# KiCad board line follower simple.kicad_pcb (continued)
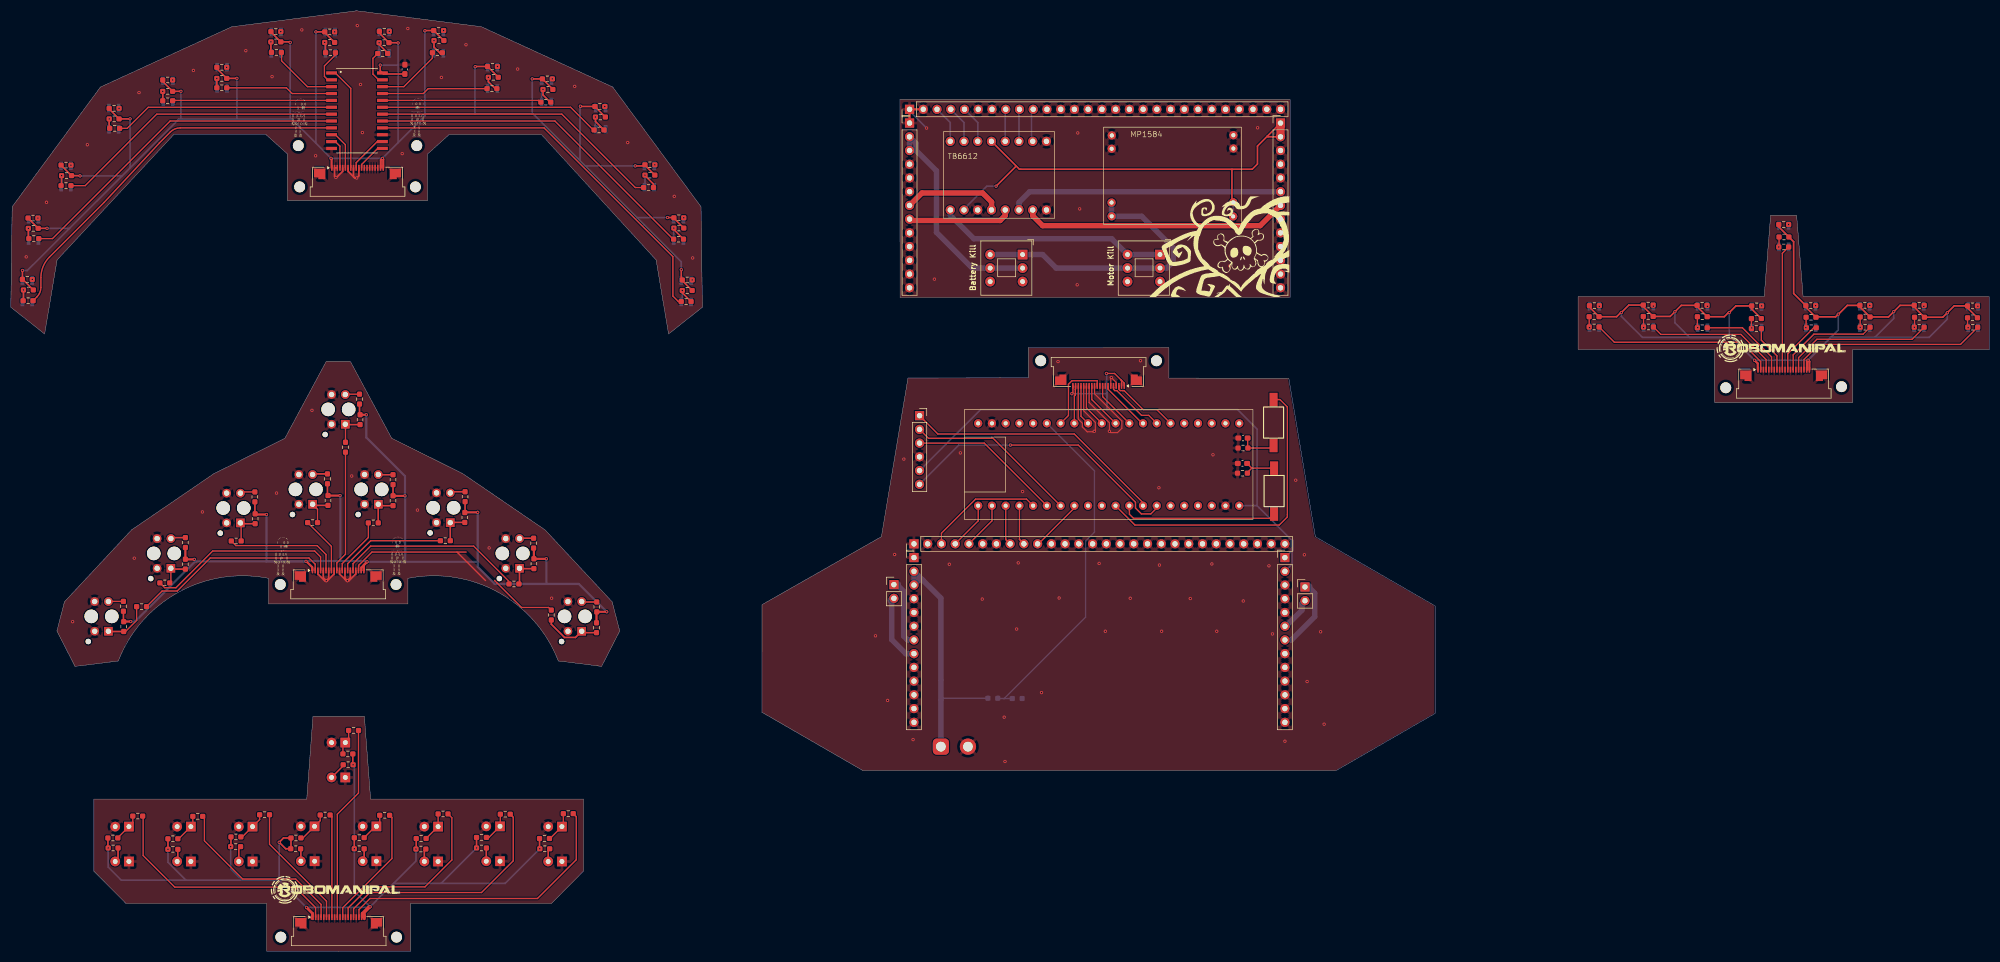
[diagram p0: board, top side]
## Footprints (pads in the part's own frame, mm; a bottom-side part is the same pattern mirrored in y, then rotated)
2mm hole
  round 2 hole 2 unplated: (-0.762,2.286)
74HC4067-Mux
  rect 2x0.6 smd: P1(-4.7,7) P2(-4.7,5.73) P3(-4.7,4.46) P4(-4.7,3.19) P5(-4.7,1.92) P6(-4.7,0.65) P7(-4.7,-0.62) P8(-4.7,-1.89) P9(-4.7,-3.16) P10(-4.7,-4.43) P11(-4.7,-5.7) P12(-4.7,-6.97) P13(4.7,-6.97) P14(4.7,-5.7) P15(4.7,-4.43) P16(4.7,-3.16) P17(4.7,-1.89) P18(4.7,-0.62) P19(4.7,0.65) P20(4.7,1.92) P21(4.7,3.19) P22(4.7,4.46) P23(4.7,5.73) P24(4.7,7)
AMASS_XT30UPB-M_1x02_P5.0mm_Vertical
  rrect 3x3 hole 1.8: 1(0,0)
  round 3 hole 1.8: 2(5,0)
Amphenol_F32Q-1A7x1-11020_1x20-1MP_P0.5mm_Horizontal
  rrect 0.3x1.1 smd: 1(-4.75,2.9) 2(-4.25,2.9) 3(-3.75,2.9) 4(-3.25,2.9) 5(-2.75,2.9) 6(-2.25,2.9) 7(-1.75,2.9) 8(-1.25,2.9) 9(-0.75,2.9) 10(-0.25,2.9) 11(0.25,2.9) 12(0.75,2.9) 13(1.25,2.9) 14(1.75,2.9) 15(2.25,2.9) 16(2.75,2.9) 17(3.25,2.9) 18(3.75,2.9) 19(4.25,2.9) 20(4.75,2.9)
  custom 2.1x1.95 smd: MP(-7,1.775) MP(7,1.775)
blackpill_fp
  round 1.524 hole 0.762: 1(6.92,24.88) 2(6.92,22.34) 3(6.92,19.8) 4(6.92,17.26) 5(6.92,14.72) 6(6.92,12.18) 7(6.92,9.64) 8(6.92,7.1) 9(6.92,4.56) 10(6.92,2.02) 11(6.92,-0.52) 12(6.92,-3.06) 13(6.92,-5.6) 14(6.92,-8.14) 15(6.92,-10.68) 16(6.92,-13.22) 17(6.92,-15.76) 18(6.92,-18.3) 19(6.92,-20.84) 20(6.92,-23.38) 21(-8.32,24.88) 22(-8.32,22.34) 23(-8.32,19.8) 24(-8.32,17.26) 25(-8.32,14.72) 26(-8.32,12.18) 27(-8.32,9.64) 28(-8.32,7.1) 29(-8.32,4.56) 30(-8.32,2.02) 31(-8.32,-0.52) 32(-8.32,-3.06) 33(-8.32,-5.6) 34(-8.32,-8.14) 35(-8.32,-10.68) 36(-8.32,-13.22) 37(-8.32,-15.76) 38(-8.32,-18.3) 39(-8.32,-20.84) 40(-8.32,-23.38)
C_0603_1608Metric_Pad1.08x0.95mm_HandSolder
  rrect 1.075x0.95 smd: 1(-0.863,0) 2(0.863,0)
LED_D5.0mm_Clear
  rect 1.8x1.8 hole 0.9: 1(0,0)
  round 1.8 hole 0.9: 2(2.54,0)
MP1584_fp
  round 1.524 hole 0.762: 1(9.46,5.48) 2(7,5.5) 3(-2.96,5.52) 4(-5.5,5.5) 5(9.5,-17) 6(7.04,-17) 7(-2.92,-16.98) 8(-5.52,-16.96)
PinHeader_1x02_P2.54mm_Vertical
  rect 1.7x1.7 hole 1: 1(0,0)
  round 1.7 hole 1: 2(0,-2.54)
PinHeader_1x13_P2.54mm_Vertical
  rect 1.7x1.7 hole 1: 1(0,0)
  round 1.7 hole 1: 2(0,-2.54) 3(0,-5.08) 4(0,-7.62) 5(0,-10.16) 6(0,-12.7) 7(0,-15.24) 8(0,-17.78) 9(0,-20.32) 10(0,-22.86) 11(0,-25.4) 12(0,-27.94) 13(0,-30.48)
PinHeader_1x28_P2.54mm_Vertical
  rect 1.7x1.7 hole 1: 1(0,0)
  round 1.7 hole 1: 2(0,-2.54) 3(0,-5.08) 4(0,-7.62) 5(0,-10.16) 6(0,-12.7) 7(0,-15.24) 8(0,-17.78) 9(0,-20.32) 10(0,-22.86) 11(0,-25.4) 12(0,-27.94) 13(0,-30.48) 14(0,-33.02) 15(0,-35.56) 16(0,-38.1) 17(0,-40.64) 18(0,-43.18) 19(0,-45.72) 20(0,-48.26) 21(0,-50.8) 22(0,-53.34) 23(0,-55.88) 24(0,-58.42) 25(0,-60.96) 26(0,-63.5) 27(0,-66.04) 28(0,-68.58)
PinSocket_1x06_P2.54mm_Vertical
  rect 1.7x1.7 hole 1: 1(0,0)
  round 1.7 hole 1: 2(0,-2.54) 3(0,-5.08) 4(0,-7.62) 5(0,-10.16) 6(0,-12.7)
Push button-fp
  rect 2.5x1.5 smd: 1(-4.182,0) 2(4.318,0)
QRE1113-SMD
  rect 0.69x1.57 smd: 1(-0.9,1.975) 2(-0.9,-1.975) 3(0.9,-1.975) 4(0.9,1.975)
R_0603_1608Metric_Pad0.98x0.95mm_HandSolder
  rrect 0.975x0.95 smd: 1(-0.912,0) 2(0.912,0)
SW_Push_2P2T_Toggle_CK_PVA2xxH3xxxxxxV2
  rect 1.8x1.8 hole 0.9: 1(0,0)
  round 1.8 hole 0.9: 2(2.5,0) 3(5,0) 4(0,-6) 5(2.5,-6) 6(5,-6)
TB6612 module
  round 1.7 hole 1: 1(-8.128,8.636) 2(-8.128,6.096) 3(-8.128,3.556) 4(-8.128,1.016) 5(-8.128,-1.524) 6(-8.128,-4.064) 7(-8.128,-6.604) 8(-8.128,-9.144) 9(4.572,8.636) 10(4.572,6.096) 11(4.572,3.556) 12(4.572,1.016) 13(4.572,-1.524) 14(4.572,-4.064) 15(4.572,-6.604) 16(4.572,-9.144)
XDCR_TCRT5000L
  round 1 hole 1 unplated: (-4.65,-2.45)
  round 2.5 hole 2.5 unplated: (0,-1.9) (0,1.9)
  rect 1.6x1.6 hole 1: 1(-2.75,1.27)
  round 1.6 hole 1: 2(-2.75,-1.27) 3(2.75,-1.27) 4(2.75,1.27)

## Nets
+3.3V: BlackPill1.40 BT2.5 C10.1 J2.1 J2.19 J2.20 J6.1 J6.19 J6.20 J7.1 J7.2 J7.20 J9.1 J9.19 J9.20 J11.1 J11.2 J13.1 J13.2 J14.1 J14.19 J14.20 MP1.7 MP1.8 R3.1 R4.2 R8.1 R9.1 R10.1 R11.1 R12.1 R13.1 R14.1 R15.1 R16.2 R18.2 R22.2 R23.2 R24.2 R25.2 R26.2 R27.2 R28.2 R29.2 R31.2 R32.2 R34.2 R35.2 R37.2 R38.2 R40.2 R41.2 R43.2 R44.2 R46.2 R47.2 R48.2 R49.1 R50.1 R52.1 R53.1 R55.1 R56.1 R58.1 R59.1 R61.1 R62.1 R64.1 R65.1 R67.1 R68.1 R70.1 R71.1 R73.1 R74.1 R76.2 R77.2 R78.2 R82.2 R83.2 R85.2 R86.2 R88.2 R89.2 R91.2 R92.2 R94.2 R95.2 R96.2 R97.2 R98.2 R99.2 R103.2 R104.2 R105.2 R106.2 R107.2 R108.2 R112.2 R113.2 R114.2 R115.2 R116.2 R117.2 R122.2 R123.2 R124.2 R128.2 R129.2 R130.2 TB1.5 TB1.15 U1.P24
GND: BlackPill1.2 BlackPill1.39 BT2.4 C1.2 C2.2 C10.2 D1.1 D2.1 D3.1 D4.1 D5.1 D6.1 D7.1 D8.1 D9.1 J1.2 J2.2 J2.3 J2.5 J2.7 J2.9 J2.11 J2.13 J2.14 J2.15 J2.16 J2.17 J2.18 J2.MP J5.1 J5.2 J5.6 J5.7 J5.11 J5.12 J5.13 J5.14 J5.15 J5.16 J5.17 J5.18 J5.19 J5.20 J5.21 J5.22 J5.23 J5.24 J5.25 J5.26 J5.27 J5.28 J6.3 J6.5 J6.7 J6.9 J6.11 J6.13 J6.15 J6.17 J6.MP J7.4 J7.6 J7.8 J7.10 J7.12 J7.14 J7.16 J7.18 J7.MP J8.1 J8.2 J8.6 J8.7 J8.11 J8.12 J8.13 J8.14 J8.15 J8.16 J8.17 J8.18 J8.19 J8.20 J8.21 J8.22 J8.23 J8.24 J8.25 J8.26 J8.27 J8.28 J9.3 J9.5 J9.7 J9.9 J9.11 J9.13 J9.15 J9.17 J9.MP J10.1 J10.4 J10.5 J10.6 J10.9 J10.10 J10.11 J10.12 J10.13 J11.3 J11.4 J11.5 J11.8 J11.9 J11.10 J11.11 J11.12 J11.13 J12.1 J12.4 J12.5 J12.6 J12.9 J12.10 J12.11 J12.12 J12.13 J13.3 J13.4 J13.5 J13.8 J13.9 J13.10 J13.11 J13.12 J13.13 J14.3 J14.5 J14.7 J14.9 J14.11 J14.13 J14.15 J14.17 J14.MP MP1.1 MP1.2 MP1.5 MP1.6 Q1.2 Q2.2 Q3.2 Q4.2 Q5.2 Q6.2 Q7.2 Q8.2 Q9.2 R1.2 R2.2 R6.1 TB1.1 TB1.9 TB1.14 U1.P12 U1.P15 U2.2 U2.3 U4.2 U4.3 U5.2 U5.3 U6.2 U6.3 U7.2 U7.3 U8.2 U8.3 U9.2 U9.3 U10.2 U10.4 U11.2 U11.4 U12.2 U12.4 U13.2 U13.4 U14.2 U14.4 U15.2 U15.4 U16.2 U16.4 U17.2 U17.4 U18.2 U18.4 U19.2 U19.3 U20.2 U20.3 U21.2 U21.4 U22.2 U22.4 U23.2 U23.4 U24.2 U24.4 U25.2 U25.4 U26.2 U26.4 U27.2 U27.4 U28.2 U28.4 U29.2 U29.4 U30.2 U30.4 U31.2 U31.4 U32.2 U32.4 U33.2 U33.4 U34.2 U34.4 U35.2 U35.4 U36.2 U36.4
AIN1: BlackPill1.22 J8.5
AIN1_t: J5.5 TB1.6
AIN2: BlackPill1.21 J8.4
AIN2_t: J5.4 TB1.7
BAT+: J1.1 J10.2 J10.3 R5.2
BAT+_Driver: SW6.1 SW6.4 TB1.16
BAT+_out: MP1.3 MP1.4 SW5.1 SW5.4 SW6.2 SW6.5
BAT+_t: J12.2 J12.3 SW5.2 SW5.5
BAT_SNS: BlackPill1.6 R5.1 R6.2
BIN1: BlackPill1.23 J8.8
BIN1_t: J5.8 TB1.4
BIN2: BlackPill1.24 J8.9
BIN2_t: J5.9 TB1.3
Button1: BlackPill1.32 SW2.2
Button2: BlackPill1.31 SW3.2
COM_mux: J2.8 U1.P1
EN: BlackPill1.34 BT2.6
L1: J14.18 R7.1
L2: J14.16 R125.1
L3: J14.14 R131.1
L4: J14.12 R17.1
L5: J14.8 R126.1
L6: J14.6 R132.1
L7: J14.4 R121.1
L8: J14.2 R127.1
L9: J14.10 R133.1
Motor1+: J3.1 J10.7
Motor1+_t: J12.7 TB1.13
Motor1-: J3.2 J10.8
Motor1-_t: J12.8 TB1.12
Motor2+: J4.1 J11.7
Motor2+_t: J13.7 TB1.10
Motor2-: J4.2 J11.6
Motor2-_t: J13.6 TB1.11
N1: J9.18 R100.1
N2: J9.16 R109.1
N3: J9.14 R118.1
N4: J9.12 R101.1
N5: J9.8 R110.1
N6: J9.6 R119.1
N7: J9.4 R102.1
N8: J9.2 R111.1
N9: J9.10 R120.1
PWMA: BlackPill1.25 J8.3
PWMA_t: J5.3 TB1.8
PWMB: BlackPill1.28 J8.10
PWMB_t: J5.10 TB1.2
Q1: R19.1 U1.P9
Q2: R20.1 U1.P8
Q3: R21.1 U1.P7
Q4: R79.1 U1.P6
Q5: R30.1 U1.P5
Q6: R33.1 U1.P4
Q7: R36.1 U1.P3
Q8: R80.1 U1.P2
Q9: R39.1 U1.P23
Q10: R42.1 U1.P22
Q11: R45.1 U1.P21
Q12: R81.1 U1.P20
Q13: R84.1 U1.P19
Q14: R87.1 U1.P18
Q15: R90.1 U1.P17
Q16: R93.1 U1.P16
RXD: BlackPill1.26 BT2.3
S0_mux: J2.6 U1.P10
S1_mux: J2.4 U1.P11
S2_mux: J2.10 U1.P14
S3_mux: J2.12 U1.P13
SNSR1: BlackPill1.15 J7.3
SNSR2: BlackPill1.14 J7.5
SNSR3: BlackPill1.13 J7.7
SNSR4: BlackPill1.12 J7.9
SNSR5: BlackPill1.11 J7.13
SNSR6: BlackPill1.10 J7.15
SNSR7: BlackPill1.9 J7.17
SNSR8: BlackPill1.8 J7.19
SNSR9: BlackPill1.7 J7.11
STATE: BlackPill1.33 BT2.1
T1: J6.18 R51.2
T2: J6.16 R54.2
T3: J6.14 R57.2
T4: J6.12 R60.2
T5: J6.8 R63.2
T6: J6.6 R66.2
T7: J6.4 R69.2
T8: J6.2 R72.2
T9: J6.10 R75.2
TXD: BlackPill1.27 BT2.2
Net-(C1-Pad1): C1.1 R1.1 SW2.1
Net-(C2-Pad1): C2.1 R2.1 SW3.1
Net-(D1-A): D1.2 R3.2
Net-(D2-A): D2.2 R8.2
Net-(D3-A): D3.2 R9.2
Net-(D4-A): D4.2 R10.2
Net-(D5-A): D5.2 R11.2
Net-(D6-A): D6.2 R12.2
Net-(D7-A): D7.2 R13.2
Net-(D8-A): D8.2 R14.2
Net-(D9-A): D9.2 R15.2
Net-(Q1-C): Q1.1 R4.1 R7.2
Net-(Q2-C): Q2.1 R16.1 R17.2
Net-(Q3-C): Q3.1 R18.1 R121.2
Net-(Q4-C): Q4.1 R122.1 R125.2
Net-(Q5-C): Q5.1 R123.1 R126.2
Net-(Q6-C): Q6.1 R124.1 R127.2
Net-(Q7-C): Q7.1 R128.1 R131.2
Net-(Q8-C): Q8.1 R129.1 R132.2
Net-(Q9-C): Q9.1 R130.1 R133.2
Net-(R19-Pad2): R19.2 R24.1 U10.3
Net-(R20-Pad2): R20.2 R25.1 U11.3
Net-(R21-Pad2): R21.2 R27.1 U12.3
Net-(R22-Pad1): R22.1 U10.1
Net-(R23-Pad1): R23.1 U11.1
Net-(R26-Pad1): R26.1 U12.1
Net-(R28-Pad1): R28.1 U13.1
Net-(R29-Pad1): R29.1 R30.2 U13.3
Net-(R31-Pad1): R31.1 U14.1
Net-(R32-Pad1): R32.1 R33.2 U14.3
Net-(R34-Pad1): R34.1 U15.1
Net-(R35-Pad1): R35.1 R36.2 U15.3
Net-(R37-Pad1): R37.1 U16.1
Net-(R38-Pad1): R38.1 R39.2 U16.3
Net-(R40-Pad1): R40.1 U17.1
Net-(R41-Pad1): R41.1 R42.2 U17.3
Net-(R43-Pad1): R43.1 U18.1
Net-(R44-Pad1): R44.1 R45.2 U18.3
Net-(R46-Pad1): R46.1 U21.1
Net-(R47-Pad1): R47.1 U22.1
Net-(R48-Pad1): R48.1 U23.1
Net-(R49-Pad2): R49.2 U2.4
Net-(R50-Pad2): R50.2 R51.1 U2.1
Net-(R52-Pad2): R52.2 U4.4
Net-(R53-Pad2): R53.2 R54.1 U4.1
Net-(R55-Pad2): R55.2 U5.4
Net-(R56-Pad2): R56.2 R57.1 U5.1
Net-(R58-Pad2): R58.2 U6.4
Net-(R59-Pad2): R59.2 R60.1 U6.1
Net-(R61-Pad2): R61.2 U7.4
Net-(R62-Pad2): R62.2 R63.1 U7.1
Net-(R64-Pad2): R64.2 U8.4
Net-(R65-Pad2): R65.2 R66.1 U8.1
Net-(R67-Pad2): R67.2 U9.4
Net-(R68-Pad2): R68.2 R69.1 U9.1
Net-(R70-Pad2): R70.2 U19.4
Net-(R71-Pad2): R71.2 R72.1 U19.1
Net-(R73-Pad2): R73.2 U20.4
Net-(R74-Pad2): R74.2 R75.1 U20.1
Net-(R76-Pad1): R76.1 R79.2 U21.3
Net-(R77-Pad1): R77.1 R80.2 U22.3
Net-(R78-Pad1): R78.1 R81.2 U23.3
Net-(R82-Pad1): R82.1 U24.1
Net-(R83-Pad1): R83.1 R84.2 U24.3
Net-(R85-Pad1): R85.1 U25.1
Net-(R86-Pad1): R86.1 R87.2 U25.3
Net-(R88-Pad1): R88.1 U26.1
Net-(R89-Pad1): R89.1 R90.2 U26.3
Net-(R91-Pad1): R91.1 U27.1
Net-(R92-Pad1): R92.1 R93.2 U27.3
Net-(R94-Pad1): R94.1 U28.1
Net-(R95-Pad1): R95.1 U29.1
Net-(R96-Pad1): R96.1 U30.1
Net-(R100-Pad2): R97.1 R100.2 U28.3
Net-(R101-Pad2): R98.1 R101.2 U29.3
Net-(R102-Pad2): R99.1 R102.2 U30.3
Net-(R103-Pad1): R103.1 U31.1
Net-(R104-Pad1): R104.1 U32.1
Net-(R105-Pad1): R105.1 U33.1
Net-(R106-Pad1): R106.1 R109.2 U31.3
Net-(R107-Pad1): R107.1 R110.2 U32.3
Net-(R108-Pad1): R108.1 R111.2 U33.3
Net-(R112-Pad1): R112.1 U34.1
Net-(R113-Pad1): R113.1 U35.1
Net-(R114-Pad1): R114.1 U36.1
Net-(R115-Pad1): R115.1 R118.2 U34.3
Net-(R116-Pad1): R116.1 R119.2 U35.3
Net-(R117-Pad1): R117.1 R120.2 U36.3

Pads without a net: BlackPill1 1 3 4 5 16 17 18 19 20 29 30 35 36 37 38; SW5 3 6; SW6 3 6

## Via types
v1: diameter 0.6, hole 0.3, Top to Bottom, 183 vias

## Routing (per net, layer and track width the routed paths; a pad name or vN(x,y) marks a point on that pad's centre or on a via; arc(x,y) is an arc through that point)
+3.3V: length 1213
  Top w0.25: J7.20 196.35,103.3 196.2,103.15 v1(196.16,103.15) 196.28,103.28 ; J7.1 205.85,105.1 205.25,105.7 ; v1(202.55,106.9) 204.05,106.9 205.25,105.7 ; 205.25,105.7 205.35,105.6 J7.2 ; 196.38,104.53 196.35,104.55
  Top w0.3: J13.1 232.3,150.8 ; 232.3,150.8 232.41,150.69 J13.2 ; 232.3,150.8 230.47,148.97 230.47,145.66 229.5,144.69 186.46,144.69 181.32,149.83 ; 76.6,170.35 R40.2 80.04,168.5 ; v1(121.4,135.75) 122.54,135.75 ; R97.2 361.75,119.03 R94.2 359.27,119.4 v1(358,118.12) 357.18,117.3 353.77,117.3 351.9,119.17 R103.2 349.27,119.5 v1(348.1,118.33) 347.12,117.35 R115.2 341.85,119.22 R112.2 339.52,119.5 337.9,117.88 v1(337.85,117.88) 337.35,117.38 333.8,117.38 R98.2 331.85,119.17 R95.2 329.6,121.7 329.6,131.28 R117.2 326.85,134.03 R114.2 ; R56.1 83.98,81.21 R55.1 ; 3.19,135.62 R25.2 v1(6.7,133.75) ; 63.23,36.5 63.23,34.55 v1(63.28,34.5) ; v1(18,19.1) 17.95,19.15 R124.2 ; v1(97.8,18.95) 97.75,19 R4.2 ; v1(40.65,19.35) 40.7,19.4 R129.2 ; v1(115.45,145.3) 117.04,145.3 ; v1(31.45,159.1) R29.2 28.09,160.93 ; R122.2 v1(86.1,19.1) ; 71.55,168.1 R38.2 68.14,169.88 ; 12.75,143.5 R27.2 9.29,145.43 ; R18.2 v1(29.05,18.85) ; 185.85,145.25 v1(182.15,141.55) ; R74.1 64.47,99.36 R73.1 ; 90.11,161.72 R43.2 85.9,163.7 ; 117.24,145.43 R86.2 ; v1(41.8,161.5) R32.2 38.09,163.32 ; R128.2 74.95,18.95 v1(74.9,18.9) ; v1(22.05,154) R76.2 18.19,155.82 ; 122.59,135.62 R89.2 ; 58.04,169.97 R77.2 ; C10.1 68.89,162.31 U1.P24 68.3,162.9 v1(68.3,163.95) ; R70.1 20.82,61.03 R71.1 ; 48.09,170.07 R35.2 51.55,168.25 ; J6.1 55.77,70.7 ; v1(96.4,161.4) R48.2 100.21,159.47 ; 225.75,144.69 225.75,138.81 ; 124.14,124.08 R92.2 ; R58.1 R59.1 ; R62.1 58.54,84.41 R61.1 ; v1(123.95,126.1) 123.95,124.39 ; R16.2 v1(63.5,18.95) ; 107.99,156.28 R83.2 ; R65.1 45.12,80.97 R64.1 ; R105.2 291.85,119.17 R108.2 296.88,117.4 297.65,118.17 v1(297.75,118.17) 299.12,119.55 R96.2 301.8,119.28 R99.2 306.77,117.45 v1(307.65,118.33) 308.82,119.5 R113.2 311.75,119.28 R116.2 316.77,117.4 317.55,118.17 v1(317.7,118.17) 318.93,119.4 R104.2 321.85,118.83 R107.2 323.65,117.03 ; R82.2 105.35,156.3 ; R47.2 v1(56.4,170.1) ; 2.21,124.3 R24.2 ; v1(2.15,125.95) 2.15,124.31 ; R123.2 51.8,19 R14.1 50.81,18.95 v1(49.61,20.15) 50.41,20.95 R123.2
  Top w0.4: R52.1 96.7,74.54 R53.1 ; 64.63,99.2 R74.1 64.58,99.25 v1(65.72,99.25) ; R47.2 58.04,169.97 ; 105.35,156.3 v1(105.3,156.35) ; R68.1 R67.1 32.32,74.65 ; R68.1 32.3,72.5 v1(33.92,72.5) ; R68.1 32.32,72.58 ; R62.1 58.65,84.3 v1(60.87,84.3) ; R26.2 9.29,145.43 ; 68.4,144.95 68.4,146.4 v1(68.7,146.7) 68.85,146.55 J2.20 ; 322.96,107.6 322.96,108.75 v1(322.36,109.35) ; R34.2 48.09,170.07 ; R41.2 80.04,168.5 ; R59.1 70.67,84.25 v1(72.87,84.25) ; 117.04,145.3 R85.2 117.24,145.43 ; 51.55,168.25 v1(51.65,168.15) ; R82.2 107.99,156.28 ; R53.1 96.72,72.6 v1(99.02,72.6) ; R53.1 96.65,72.66 ; R46.2 18.19,155.82 ; 64.82,70.45 64.82,71 v1(65.87,72.05) 65.27,71.45 J6.20 ; R44.2 90.11,161.72 ; R71.1 20.89,61 v1(22.17,61) ; R23.2 3.19,135.62 ; v1(59.2,146.7) 59.3,146.6 59.3,144.95 ; J9.20 332.51,109.1 v1(332.26,109.35) 332.06,109.15 332.06,107.6 ; 2.15,124.31 R22.2 2.21,124.3 ; 122.59,135.62 R88.2 122.54,135.75 ; v1(54.57,72.12) 54.64,72.12 55.72,71.05 55.72,70.45 ; 108.33,60.81 R50.1 108.28,62.74 R49.1 108.34,62.8 v1(110.17,62.8) ; 45.33,80.76 R65.1 45.3,80.8 v1(47.27,80.8) ; R31.2 38.09,163.32 ; v1(86.32,81.2) 83.97,81.2 R56.1 ; R78.2 100.21,159.47 ; 71.55,168.1 v1(71.6,168.05) ; 76.6,170.35 v1(76.55,170.3) ; R28.2 28.09,160.93 ; 124.14,124.08 R91.2 123.95,124.39 ; 85.9,163.7 v1(85.85,163.65) ; 12.75,143.5 v1(12.8,143.45) ; R37.2 68.14,169.88
  Top w0.5: 64.96,6.3 64.96,6.99 66.17,8.2 v1(66.41,8.2) 65.36,7.15 65.36,6.6 ; 55.76,6.5 55.76,7 v1(54.66,8.1) ; 65.36,6.6 65.36,6.01 ; 65.36,6.6 J14.20 ; 55.66,6.05 55.66,6.4
  Top w0.6: 225.75,138.81 MP1.7 ; 181.32,149.83 181.32,150.06
  Top w1.5: J13.2 J13.1
  Bottom w0.25: v1(196.16,103.15) 202.5,103.15 202.65,103.3
  Bottom w0.3: v1(332.26,109.35) 337.85,114.94 v1(337.85,117.88) ; v1(332.26,109.35) 336.49,113.58 344.6,113.58 ; v1(332.26,109.35) v1(322.36,109.35) 318.79,112.92 ; v1(51.65,168.15) 51.65,153.95 51.95,153.95 ; v1(66.41,8.2) 66.31,8.1 v1(54.66,8.1) 49.61,13.15 ; v1(66.41,8.2) 63.5,11.11 v1(63.5,18.95) 63.5,34.28 v1(63.28,34.5) ; v1(66.41,8.2) 70.76,12.55 ; v1(307.65,118.33) 307.65,116.28 310.35,113.58 318.05,113.58 318.09,113.62 ; 71.6,163.95 v1(68.3,163.95) ; 71.6,163.95 71.6,149.6 ; 71.6,163.95 v1(71.6,168.05) ; 71.6,149.6 v1(68.7,146.7) v1(59.2,146.7) 56.4,149.5 ; 71.6,149.6 76.55,154.55 ; 318.79,112.92 318.09,113.62 ; 318.79,112.92 318.14,113.58 301.65,113.58 297.75,117.47 v1(297.75,118.17) ; 236.9,74.18 J11.1 ; 318.09,113.62 317.7,114.01 v1(317.7,118.17) ; v1(348.1,118.33) 348.1,117.08 344.6,113.58 ; v1(182.15,141.55) 180.43,141.55 176.22,137.34 ; 76.55,154.55 76.55,154.95 76.6,154.9 96.6,154.9 105.23,146.28 105.23,156.28 ; 76.55,154.55 v1(76.55,170.3) ; J11.2 236.9,71.64 236.9,75.93 230.4,82.43 ; 104.75,146.75 123.95,127.55 v1(123.95,126.1) ; 51.95,153.95 56.4,149.5 ; 51.95,153.95 31.05,153.95 22.05,144.95 ; 70.76,12.55 79.55,12.55 ; 70.76,12.55 74.9,16.69 v1(74.9,18.9) ; 79.55,12.55 v1(86.1,19.1) ; 79.55,12.55 91.4,12.55 v1(97.8,18.95) ; 56.4,149.5 v1(56.4,170.1) ; v1(358,118.12) 358,116.92 354.65,113.58 344.6,113.58 ; 10.85,133.75 3.05,125.95 v1(2.15,125.95) ; 10.85,133.75 v1(6.7,133.75) ; 10.85,133.75 20.55,143.45 ; 85.8,163.6 85.8,154.9 ; 49.61,13.15 v1(49.61,20.15) ; 49.61,13.15 42.76,13.15 ; 202.65,101.8 202.65,100.2 ; 42.76,13.15 40.65,15.26 v1(40.65,19.35) ; 42.76,13.15 32.36,13.15 ; 22.05,144.95 v1(22.05,154) ; 22.05,144.95 20.55,143.45 ; v1(41.8,161.5) 41.8,154 ; 202.65,101.5 202.65,104.65 202.6,104.7 202.6,106.85 v1(202.55,106.9) ; v1(115.45,145.3) 106.2,145.3 ; MP1.7 226,135.98 ; v1(31.45,159.1) 31.45,153.95 ; BlackPill1.40 230.4,82.43 ; 230.4,82.43 230.4,96.6 226.8,100.2 179.27,100.2 BT2.5 ; 32.36,13.15 20.41,13.15 18,15.56 v1(18,19.1) ; 32.36,13.15 29.05,16.46 v1(29.05,18.85) ; 20.55,143.45 v1(12.8,143.45) ; v1(96.4,161.4) 96.4,154.9 ; v1(121.4,135.75) 115.75,135.75
  Bottom w0.4: v1(54.57,72.12) 47.27,72.12 v1(47.27,80.8) ; v1(54.57,72.12) 34.3,72.12 ; v1(54.57,72.12) 54.64,72.2 60.92,72.2 ; 60.92,72.2 60.92,84.25 v1(60.87,84.3) ; 60.92,72.2 65.72,72.2 v1(65.87,72.05) 72.92,72.05 ; v1(65.72,99.25) 65.72,95.05 72.87,87.9 v1(72.87,84.25) 72.92,84.2 72.92,72.05 ; 90.27,67.95 99.02,67.95 v1(99.02,72.6) ; 90.27,67.95 105.02,67.95 v1(110.17,62.8) ; 90.27,67.95 89.47,67.95 86.32,71.1 v1(86.32,81.2) ; v1(85.85,163.65) 85.8,163.6 ; 34.3,72.12 34.09,72.12 22.97,61 v1(22.17,61) ; 34.3,72.12 v1(33.92,72.5) ; 72.92,72.05 86.32,72.05 ; v1(105.3,156.35) 105.23,156.28
  Bottom w0.6: 176.22,137.34 TB1.15 ; 236.9,75.93 236.9,74.18
  Bottom w1.5: 226,135.98 MP1.8
GND: length 87.2
  Top w0.2: J7.14 199.35,101.52 203.1,97.77 v1(203.1,96.2) 203.35,95.95 204.6,95.95 205.4,96.75 205.4,98.1 200.35,103.15 J7.12 ; J7.18 197.35,98.44 198.1,97.69 198.1,97 199,96.1 200.05,96.1 200.15,96.2 v1(200.3,96.2) 200.5,96.4 200.5,97.83 198.35,99.98 J7.16 ; J7.4 204.35,105.25 v1(203.45,106.15) 203.35,106.05 J7.6
  Top w0.3: v1(62.22,68.55) 61.77,69 J6.13 ; v1(62.22,68.55) 62.52,68.55 63.77,69.8 J6.17 ; v1(62.22,68.55) 62.02,68.55 60.77,69.8 J6.11 ; v1(62.22,68.55) 62.77,69.1 J6.15 ; J6.3 56.77,69.8 58.02,68.55 v1(58.32,68.55) ; 63.58,143.07 v1(63.95,143.07) 64.35,143.47 J2.11 ; 63.58,143.07 63.35,143.3 J2.9 ; 63.58,143.07 62.35,144.3 J2.7 ; J6.9 59.77,69.8 58.52,68.55 v1(58.32,68.55) ; J6.7 58.77,69 v1(58.32,68.55) ; J2.3 J2.2 59.85,143.42 v1(60.1,143.17) 60.22,143.17 61.35,144.3 J2.5 ; v1(58.32,68.55) 57.77,69.1 J6.5
  Top w0.4: 68,151.07 U1.P15 ; J12.1 J5.1 J5.2
  Bottom w0.3: J5.1 166.15,155.45 v1(169.3,152.3)
  vias: v1(2.85,128.47) v1(6.6,138.57) v1(11.42,60.97) v1(14.15,149.22) v1(22.82,72.72) v1(23.7,158.87) v1(33.75,162.97) v1(35.42,81.27) v1(43.45,166.62) v1(48.3,161.82) v1(49.12,84.77) v1(53.8,170.47) v1(55.67,100.07) v1(56.35,147.17) v1(63.02,87.92) v1(64.05,171.27) v1(64.65,160.37) v1(65,151.47) v1(72.35,147.57) v1(73.4,170.72) v1(75.17,81.62) v1(79.6,161.67) v1(84.15,167.72) v1(88.42,74.62) v1(93.7,163.22) v1(99.97,65.32) v1(104.25,160.02) v1(114.05,149.62) v1(122.65,139.67) v1(126.05,128.27) v1(159.85,58.35) v1(162.1,46.4) v1(163.4,73.4) v1(165.1,91.05) v1(166.8,39.15) v1(170.75,124.35) v1(173.5,71.6) v1(175.55,92.2) v1(179.6,65.15) v1(183.65,43.3) v1(183.8,35.1) v1(185.95,59.6) v1(186.25,71.85) v1(187.05,85.05) v1(190.55,47.85) v1(193.6,109.1) v1(193.8,65.35) v1(197.15,123.3) v1(197.25,151.4) v1(197.6,137.35) v1(201.2,71.75) v1(202.35,59.2) v1(206.95,65.3) v1(208.85,109.25) v1(212.25,85.75) v1(212.35,71.45) v1(212.75,59.2) v1(218.05,65.25) v1(222.05,71.65) v1(222.25,91.85) v1(222.95,59.2) v1(225.35,126.8) v1(227.85,64.8) v1(230.5,152.35) v1(232.6,71.3) v1(233.25,58.7) v1(235.55,38.85) v1(237.55,87.15) v1(239.15,73.35) v1(239.65,49.9) v1(242.15,59.1) v1(242.8,42)
AIN1: length 8.8
  Top w0.25: J8.5 181.39,79.64 181.39,82.42
  Top w0.3: BlackPill1.22 181.39,82.42
AIN1_t: length 7
  Bottom w0.3: J5.5 178.78,153.31 178.78,149.87 TB1.6
AIN2: length 8.8
  Top w0.25: 178.85,82.42 178.85,79.64 J8.4
  Top w0.3: 178.85,82.42 BlackPill1.21
AIN2_t: length 6.7
  Bottom w0.3: 176.24,150.06 176.22,150.08 176.22,153.33 J5.4
BAT+: length 47.9
  Bottom w0.25: R5.2 172.25,46.8
  Bottom w0.6: 172.25,46.8 171.95,46.5
  Bottom w1: 168.61,68.66 171.95,65.31 J1.1 ; 168.61,68.66 J10.2 J10.3 167.87,68.66 168.61,68.66
BAT+_Driver: length 42.8
  Bottom w1: SW6.1 SW6.4 203.52,131.82 178.03,131.82 173.7,136.16 173.7,137.13
  Bottom w1.5: TB1.16 173.7,137.13
BAT+_out: length 54.3
  Bottom w1: SW5.4 SW5.1 190.75,128.9 193.25,126.4 SW6.5 SW6.2 213.73,126.4 214.93,127.6 214.93,130.12 209.07,135.98 MP1.4 ; MP1.3 203.5,136
  Bottom w1.5: 203.5,136 MP1.4
BAT+_t: length 42.1
  Bottom w1: SW5.2 SW5.5 177.74,126.4 171.13,133.01 171.13,144.38 167.36,148.15 ; 167.36,148.15 167.36,149.49 J12.2 J12.3 167.36,148.15
BAT_SNS: length 64.2
  Bottom w0.25: 183.65,46.75 183.6,46.75 R6.2 ; 183.65,46.75 182.51,46.75 ; 183.65,46.75 198.7,61.8 198.7,75.89 200.34,77.53 200.34,88.87 191.95,97.26
  Bottom w0.3: 182.51,46.75 R5.1 ; 185.09,46.8 R6.2
  Bottom w0.4: 191.95,97.26 191.55,97.26
BIN1: length 7.4
  Top w0.25: 183.93,82.42 183.93,76.19
  Top w0.3: BlackPill1.23 183.93,82.42 ; 183.93,76.19 J8.8
BIN1_t: length 5.8
  Bottom w0.3: 183.86,150.06 183.84,150.08 183.84,155.68 J5.8
BIN2: length 7.4
  Top w0.25: 186.47,82.42 186.47,76.19
  Top w0.3: 186.47,76.19 J8.9 ; BlackPill1.24 186.47,82.42
BIN2_t: length 5.8
  Bottom w0.3: 186.4,150.06 186.38,150.08 186.38,155.68 J5.9
Button1: length 29
  Top w0.25: 206.79,82.42 206.79,81.51 206.8,81.5 206.8,80.85 207.55,80.1 232.77,80.1 SW2.2
  Top w0.3: BlackPill1.32 206.79,82.42
Button2: length 57.3
  Top w0.25: BlackPill1.31 207.82,78.85 234.5,78.85 236,80.35 236,100.7 234.63,102.07 SW3.2
COM_mux: length 19.4
  Top w0.25: J2.8 62.85,159.65 60,162.5 U1.P1
EN: length 53.7
  Top w0.25: v1(184.8,93.65) 197.35,93.65 207.92,83.08 207.92,82 209.01,80.91 210.76,80.91 211.86,82.01
  Top w0.3: BlackPill1.34 211.86,82.01
  Bottom w0.25: v1(184.8,93.65) 175.26,93.65
  Bottom w0.3: 175.26,93.65 BT2.6
L1: length 54.2
  Top w0.25: J14.18 64.36,7.7 66.41,9.75 97.36,9.75 104.54,16.93 104.54,24.89 R7.1
L2: length 43.6
  Top w0.25: R125.1 92.89,24.79 92.89,16.72 87.01,10.85 66.36,10.85 63.36,7.85 J14.16
L3: length 33.4
  Top w0.25: J14.14 62.36,8 66.26,11.9 76.56,11.9 81.54,16.88 81.54,24.69 R131.1
L4: length 22.8
  Top w0.25: 70.03,25.15 70.46,24.71 70.46,17.15 61.36,8.05 J14.12
L5: length 19
  Top w0.25: 59.03,25.2 59.36,24.86 J14.8
L6: length 23.3
  Top w0.25: J14.6 58.36,9.25 47.83,19.79 R132.1
L7: length 33.5
  Top w0.25: R121.1 35.79,24.64 35.79,20.43 42.86,13.35 52.66,13.35 57.36,8.65 J14.4 57.34,6.32
L8: length 45
  Top w0.25: 24.37,25 24.46,24.91 24.46,17.7 30.31,11.85 52.56,11.85 56.34,8.07 56.34,6.32 J14.2
L9: length 36.2
  Top w0.25: R133.1 64.28,29.26 60.36,25.35 J14.10 60.39,6.32
Motor1+: length 12.8
  Bottom w1: J10.7 165.77,57.59 165.06,58.3 165.06,66.59 163.82,67.83
  Bottom w1.5: 163.82,67.83 J3.1
Motor1+_t: length 18.1
  Top w1: 181.32,137.36 181.32,138.63 179.65,140.3 168.46,140.3 J12.7
  Top w1.5: 181.32,137.36 181.32,137.36
Motor1-: length 13
  Bottom w1: J10.8 165.45,55.05 162.85,57.65 162.85,64.88
  Bottom w1.5: 162.85,64.88 J3.2
Motor1-_t: length 19.4
  Top w1: J12.8 166.41,135.2 182.9,135.2 183.86,136.16 183.86,137.36
Motor2+: length 13.9
  Bottom w1: J11.7 236.75,57.59 241.06,61.9 241.06,66.24 239.9,67.4
  Bottom w1.5: 239.9,67.4 J4.1
Motor2+_t: length 49.2
  Top w1: 234.73,137.99 230.98,134.25 190.75,134.25 188.94,136.06 188.94,137.13
  Top w1.5: TB1.10 188.94,137.13 ; 234.73,137.99 J13.7
Motor2-: length 6.4
  Bottom w1: 235.73,60.13 238.7,63.1 238.7,64.3 J4.2
  Bottom w1.5: J11.6 235.73,60.13
Motor2-_t: length 50.4
  Top w1.5: 186.4,137.36 186.4,137.36
  Bottom w1: J13.6 188.37,140.53 186.4,138.56 186.4,137.36
N1: length 36.5
  Top w0.25: R100.1 360.45,112.28 334.3,112.28 331.51,109.49 J9.18
N2: length 27.8
  Top w0.25: R109.1 351.5,113.22 333.9,113.22 330.51,109.84 J9.16
N3: length 19.1
  Top w0.2: R118.1 342.45,114.17 ; J9.14 329.46,107.65
  Top w0.25: J9.14 329.51,110.34 333.35,114.17 342.45,114.17
N4: length 10.2
  Top w0.25: J9.12 328.51,110.54 333.32,115.35 333.77,115.35
N5: length 8.8
  Top w0.25: R110.1 323.62,113.05 326.51,110.16 J9.8
N6: length 16.5
  Top w0.25: R119.1 320.12,115.35 325.51,109.96 J9.6
N7: length 25.2
  Top w0.25: J9.4 324.51,109.46 319.85,114.12 305.05,114.12 R102.1
N8: length 34
  Top w0.25: J9.2 323.51,109.08 319.92,112.67 296.45,112.67 R111.1
N9: length 23.2
  Top w0.25: R120.1 327.51,129.14 J9.10
PWMA: length 22.5
  Top w0.25: J8.3 172.05,77.35 178.35,83.65 187.78,83.65 189.01,82.42
  Top w0.3: 189.01,82.02 189.01,82.42
PWMA_t: length 6.7
  Bottom w0.3: 173.7,150.06 173.68,150.08 173.68,153.33 J5.3
PWMB: length 10
  Top w0.25: 196.62,82.01 189.98,75.37
  Top w0.3: 189.98,75.37 J8.10 ; BlackPill1.28 196.62,82.01
PWMB_t: length 5.9
  Bottom w0.3: 188.94,150.06 188.7,150.3 188.7,155.46 J5.10
Q1: length 71.2
  Top w0.25: U1.P9 31.33,152.34 arc(30.34,152.14) 29.5,151.58 27.47,149.56 27.47,149.55 17.25,138.55 7.16,128.46 arc(5.98,126.69) 5.56,124.61 5.56,122.83 arc(5.37,121.88) 4.84,121.08 R19.1
Q2: length 63.2
  Top w0.25: R20.1 7.7,131.85 29.46,153.61 U1.P8
Q3: length 53.7
  Top w0.25: U1.P7 26.98,154.88 13.75,141.65 R21.1
Q4: length 40.8
  Top w0.25: U1.P6 25.41,156.15 21.51,152.25 R79.1
Q5: length 29.4
  Top w0.25: U1.P5 29.98,157.42 R30.1
Q6: length 19.8
  Top w0.25: U1.P4 52.01,158.69 50.95,159.75 R33.1
Q7: length 12.8
  Top w0.25: U1.P3 54.84,159.96 50.05,164.75 50.05,166.26 R36.1
Q8: length 6.8
  Top w0.25: U1.P2 58.6,161.23 57.98,161.85 57.98,163.81 60.01,165.85 R80.1
Q9: length 6.4
  Top w0.25: R39.1 66.95,165.21 66.95,162.28 68,161.23 U1.P23
Q10: length 12.4
  Top w0.25: U1.P22 72.66,159.96 77.94,165.24 R42.1
Q11: length 19.7
  Top w0.25: U1.P21 76.26,158.69 77.17,159.6 R45.1
Q12: length 29.4
  Top w0.25: U1.P20 97.57,157.42 97.89,157.1 R81.1
Q13: length 40.9
  Top w0.25: R84.1 107.69,151.95 103.49,156.15 U1.P19
Q14: length 53.9
  Top w0.25: U1.P18 101.87,154.88 115.45,141.3 R87.1
Q15: length 62.9
  Top w0.25: R90.1 122.45,131.75 100.59,153.61 U1.P17
Q16: length 72.8
  Top w0.25: R93.1 123.42,120.2 122.4,121.22 122.4,128.52 98.58,152.34 U1.P16
RXD: length 28.7
  Top w0.25: BT2.3 179.96,94.01 191.55,82.42
  Top w0.3: 191.55,82.02 191.55,82.42
S0_mux: length 7.6
  Top w0.25: U1.P10 60,151.07 61.85,149.22 J2.6
S1_mux: length 5.9
  Top w0.25: J2.4 60.85,148.95 60,149.8 U1.P11
S2_mux: length 7.4
  Top w0.25: U1.P14 67.75,149.8 63.85,145.9 J2.10
S3_mux: length 5.7
  Top w0.25: J2.12 64.85,145.57 67.81,148.53 U1.P13
SNSR1: length 13
  Top w0.25: J7.3 204.88,104.6 204.88,103.96 205.11,103.72 205.59,103.72 205.6,103.73 205.61,103.72 205.82,103.72 209.35,100.2 211.87,100.2 BlackPill1.15 ; 204.88,104.38 204.85,104.4 204.85,104.55
SNSR2: length 11.2
  Top w0.25: J7.5 203.85,104.34 203.88,104.32 203.88,103.96 204.11,103.72 204.47,103.72 209.04,99.15 210.38,99.15 BlackPill1.14
SNSR3: length 10
  Top w0.25: 202.85,104.55 202.85,104.14 202.88,104.11 202.88,103.96 209.33,97.5 209.33,97.26
SNSR4: length 9.3
  Top w0.25: 201.85,104.55 201.85,102.6 206.79,97.66 206.79,97.26
SNSR5: length 9.1
  Top w0.25: 204.25,97.26 204.25,97.66 199.85,102.06 199.85,104.55
SNSR6: length 8.5
  Top w0.25: 198.85,104.55 198.85,100.52 201.71,97.66 201.71,97.26
SNSR7: length 7.8
  Top w0.25: 199.17,97.26 199.17,97.66 197.85,98.98 197.85,104.55
SNSR8: length 7.4
  Top w0.25: 196.63,97.26 196.62,97.28 196.62,102.73 196.78,102.89 196.78,103.09 196.8,103.11 196.8,103.93 196.82,103.96 196.82,104.58 J7.19
SNSR9: length 14.8
  Top w0.25: 200.85,104.55 200.85,105.55 196.18,105.55 195.53,104.9 195.53,99.12 194.09,97.68 194.09,97.26
STATE: length 49
  Top w0.25: 209.33,82.97 196.6,95.7 171.39,95.7 BT2.1
  Top w0.3: 209.33,82.02 209.33,82.97
T1: length 42
  Top w0.25: 89.44,68.58 89.95,68.06 94.42,63.6 99.43,63.6 R51.2 ; J6.18 64.3,70.47 64.3,71.22 64.3,71.22 64.3,71.39 66.75,73.85 84.17,73.85 ; 87.76,68.58 82.49,73.85
T2: length 34.1
  Top w0.25: J6.16 63.27,71.7 66.52,74.95 85.57,74.95 92.09,68.43
T3: length 20.2
  Top w0.25: R57.2 66.52,75.95 62.27,71.7 J6.14
T4: length 10.8
  Top w0.25: R60.2 66.1,76.54 61.27,71.71 J6.12
T5: length 10.7
  Top w0.25: J6.8 59.27,74.91 R63.2
T6: length 21.5
  Top w0.25: R66.2 41.61,75.05 56.62,75.05 58.27,73.4 J6.6
T7: length 35.9
  Top w0.25: R69.2 28.46,67.25 30.52,67.25 37.32,74.05 56.17,74.05 57.27,72.95 J6.4
T8: length 36.5
  Top w0.25: J6.2 56.27,71.6 55.12,72.75 36.87,72.75 30.77,66.65 27.98,66.65 R72.2
T9: length 22.6
  Top w0.25: R75.2 61.87,73.45 60.27,71.85 J6.10 60.3,70.47
TXD: length 32.3
  Top w0.25: 194.09,82.42 181.61,94.9 169.65,94.9 BT2.2
  Top w0.3: 194.09,82.02 194.09,82.42
Net-(C1-Pad1): length 6.6
  Top w0.25: 229.43,89.38 228.61,88.56 R1.1 ; 229.43,89.38 SW2.1 ; 229.43,89.38 C1.1
Net-(C2-Pad1): length 6.8
  Top w0.25: SW3.1 232.98,93.1 R2.1 228.66,93.15 C2.1
Net-(D1-A): length 2.7
  Top w0.3: D1.2 19.82,17.13 R3.2
Net-(D2-A): length 2.9
  Top w0.3: R8.2 42.15,19.02 D2.2
Net-(D3-A): length 2.4
  Top w0.3: D3.2 76.45,18.62 76.73,18.9
Net-(D4-A): length 2.5
  Top w0.3: D4.2 87.9,19.07 R10.2
Net-(D5-A): length 2.5
  Top w0.3: R11.2 99.35,18.67 D5.2
Net-(D6-A): length 3.2
  Top w0.25: D6.2 61.45,34.3 R12.2
